# Allegro board 1156197-TDI_VU3P_QSFP28_CXP_V001_1023A-166-20241121_1644_PCB.brd (continued)
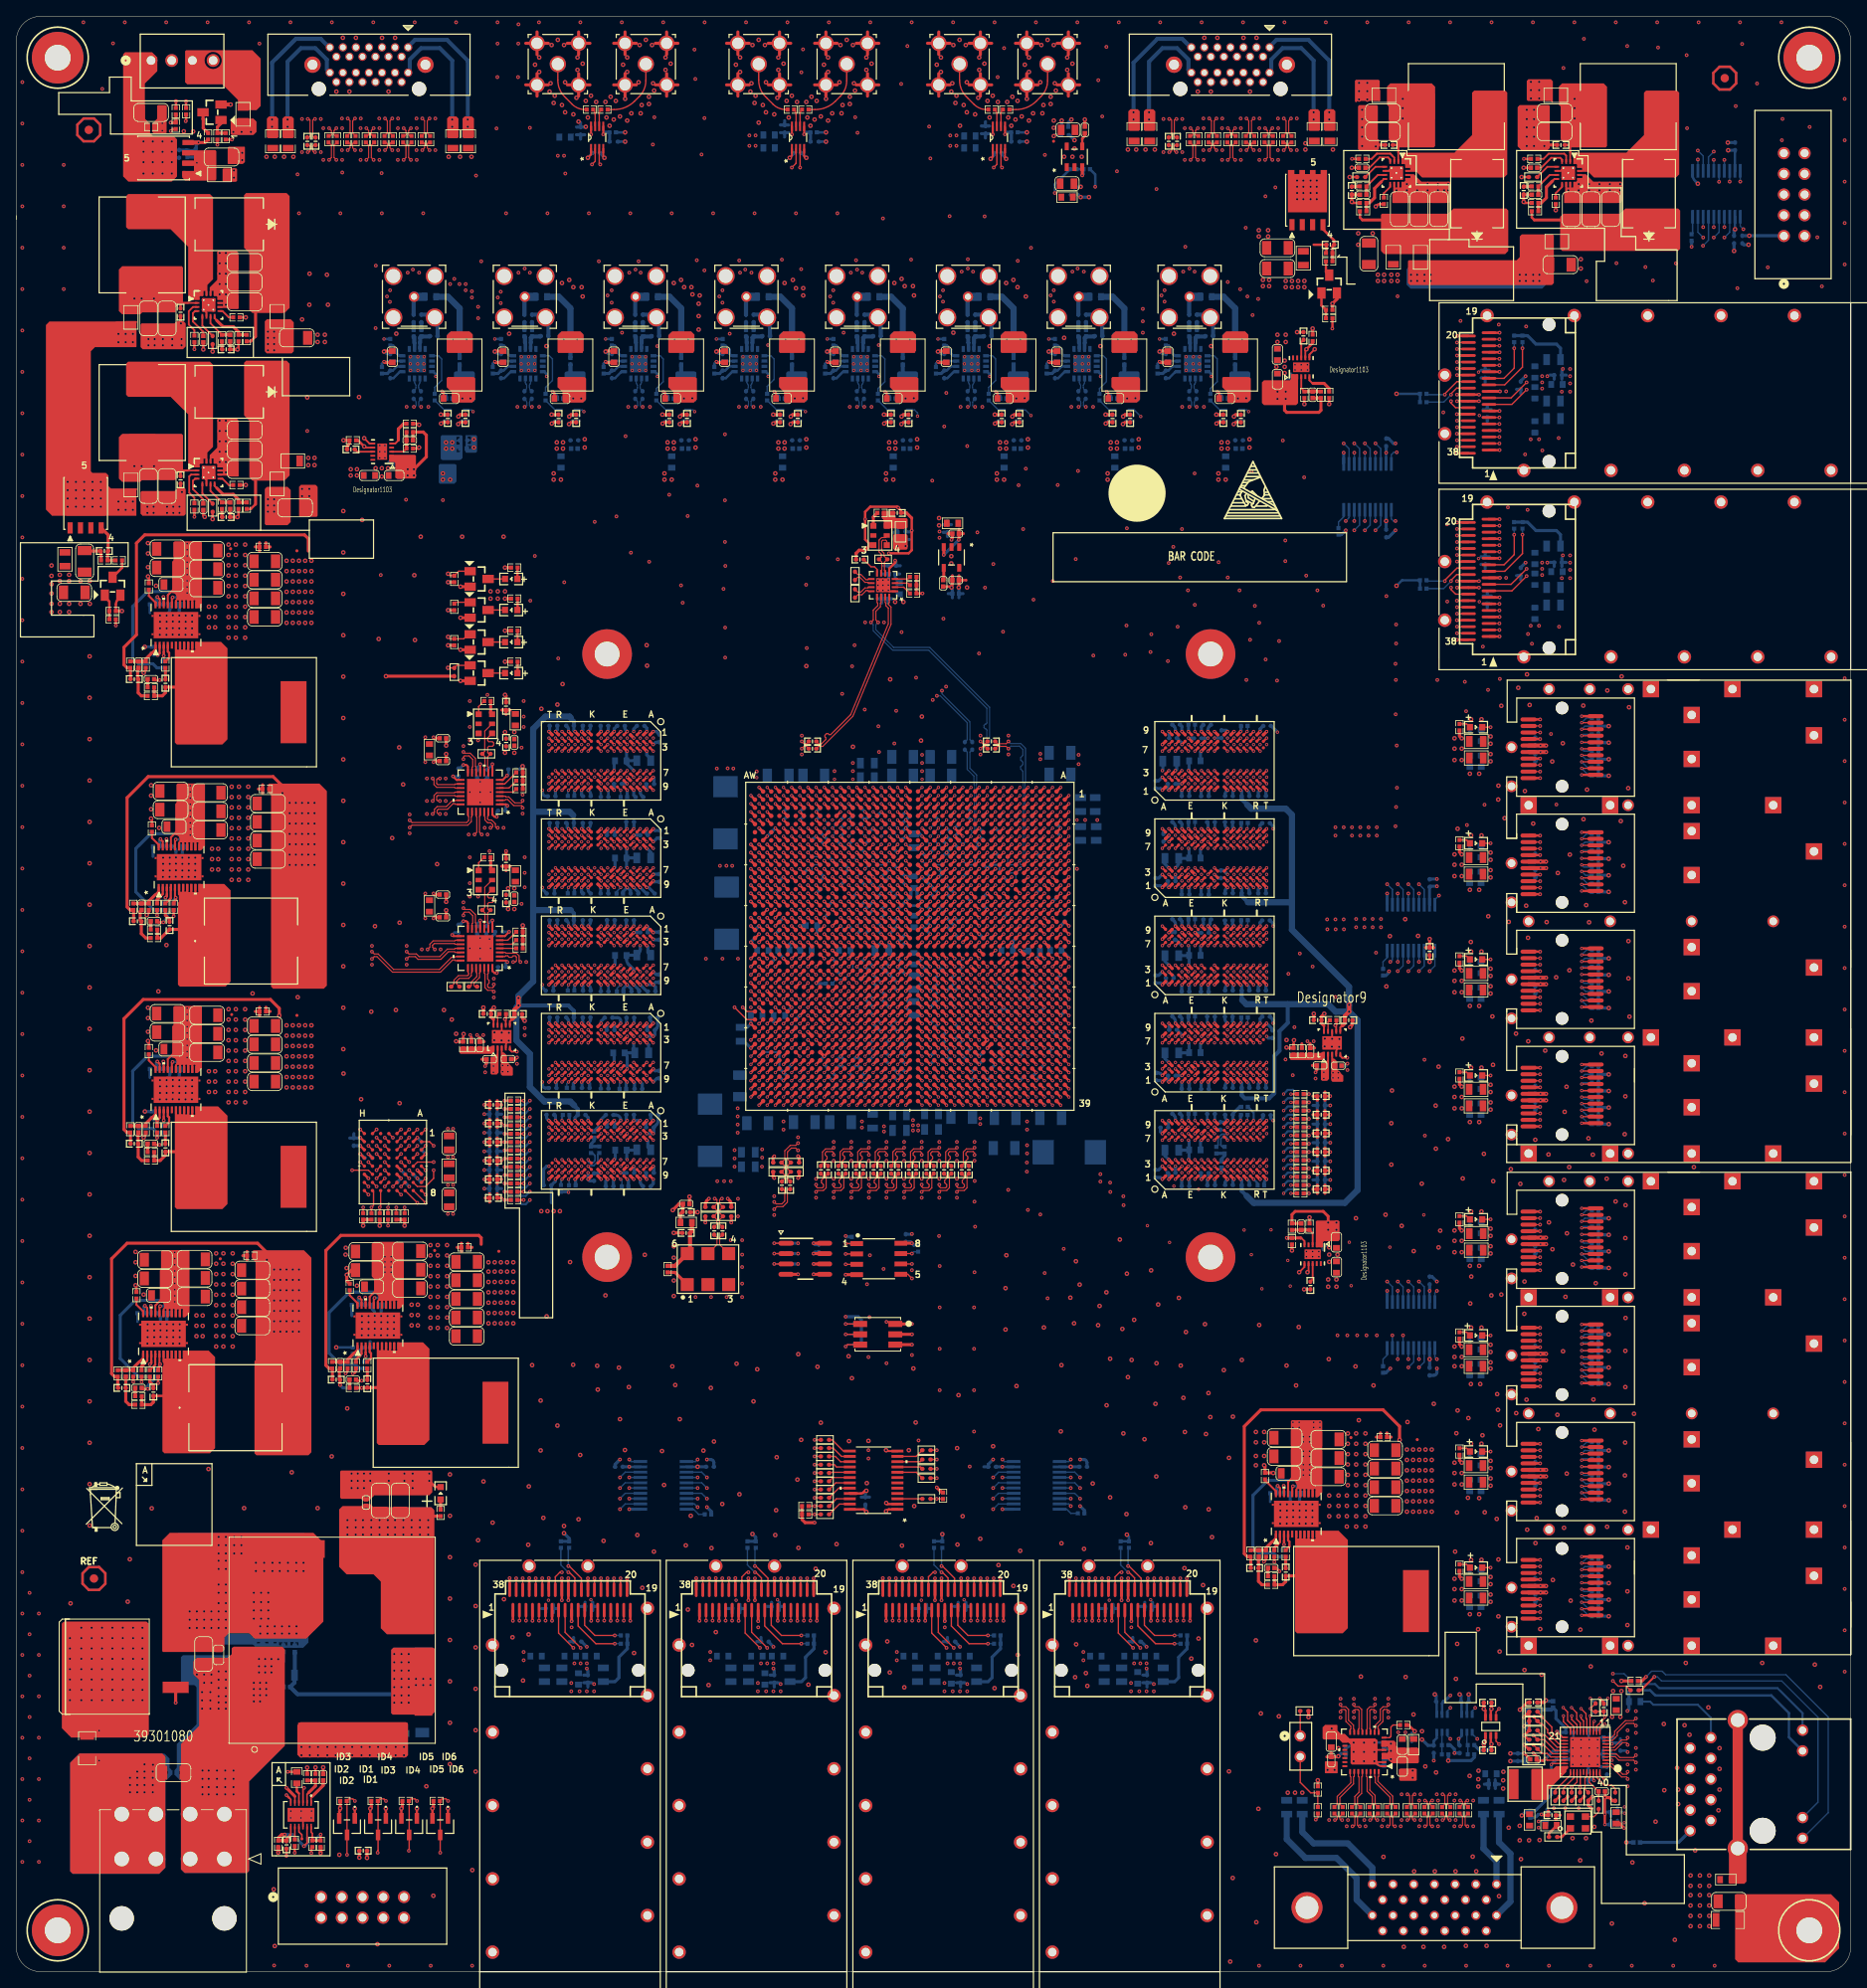
[diagram p0: board, top side]
## Routing (per net, layer and track width the routed paths; a pad name or vN(x,y) marks a point on that pad's centre or on a via; arc(x,y) is an arc through that point) (continued)
N25661667: length 2.3
  TOP w0.229: C753.1 41.8,186.56 U49.8
N25661669: length 3.7
  TOP w0.229: 46.86,188.02 46.86,187.94 46.48,187.56 U49.5
  TOP w0.381: 46.86,188.02 46.86,189.36 47.5,189.99 R409.2
N25767092: length 4.5
  TOP w0.203: U55.12 36.16,17.12 36.31,16.97 36.31,16.59
  TOP w0.305: 36.31,16.59 R437.1 36.31,16.1 37.33,16.1 R435.2 v1(37.33,16.84)
  BOTTOM w0.381: R438.2 36.82,16.33 v1(37.33,16.84)
N25767134: length 11
  TOP w0.203: v1(35.28,15.42) 35.66,15.8 U55.11 ; 33.58,16.76 33.67,16.85 U55.7
  TOP w0.305: 33.58,16.76 33.58,16.71 33.13,16.27 C805.1
  TOP w0.381: v1(32.91,16.84) 32.55,16.84 32.17,16.46 32.17,16.1 ; 32.17,16.1 33.08,16.1 C805.1 ; 32.17,16.1 R433.1
  BOTTOM w0.381: R438.1 35.78,15.8 35.4,15.42 v1(35.28,15.42) 33.86,16.84 v1(32.91,16.84)
N25767219: length 28.5
  TOP w0.203: 34.17,21.53 U55.5
  TOP w0.381: v1(33.14,22.56) 34.17,21.53
  ART03 w0.305: v1(33.14,22.56) 33.06,22.48 31.11,22.48 25.4,28.19 11.05,28.19 10.16,29.08 v1(10.16,29.59)
  vias: v2(6.58,40.94) v2(6.58,39.67) v2(6.58,38.4) v2(6.58,37.13) v2(6.58,35.86) v2(6.58,34.59) v2(6.58,33.32) v2(7.98,42.21) v2(7.98,40.94) v2(7.98,39.67) v2(7.98,38.4) v2(7.98,37.13) v2(7.98,35.86) v2(7.98,34.59) v2(7.98,33.32) v2(9.25,42.21) v2(9.25,40.94) v2(9.25,39.67) v2(9.25,38.4) v2(9.25,37.13) v2(9.25,35.86) v2(9.25,34.59) v2(9.25,33.32) v2(10.52,42.21) v2(10.52,40.94) v2(10.52,39.67) v2(10.52,38.4) v2(10.52,37.13) v2(10.52,35.86) v2(10.52,34.59) v2(10.52,33.32) v2(11.79,42.21) v2(11.79,40.94) v2(11.79,39.67) v2(11.79,38.4) v2(11.79,37.13) v2(11.79,35.86) v2(11.79,34.59) v2(11.79,33.32) v2(13.06,42.21) v2(13.06,40.94) v2(13.06,39.67) v2(13.06,38.4) v2(13.06,37.13) v2(13.06,35.86) v2(13.06,34.59) v2(13.06,33.32) v2(14.33,42.21) v2(14.33,40.94) v2(14.33,39.67) v2(14.33,38.4) v2(14.33,37.13) v2(14.33,35.86) v2(14.33,34.59) v2(14.33,33.32) v2(15.47,42.21) v2(15.47,40.94) v2(15.47,39.67) v2(15.47,38.4) v2(15.47,37.13) v2(15.47,35.86) v2(15.47,34.59) v2(15.47,33.32)
N25767247: length 1.6
  TOP w0.203: U55.8 34.17,16.24 R432.1
N25767271: length 21.1
  TOP w0.305: R431.1 v1(33.29,24.53)
  TOP w0.381: Q5.G v1(19.55,33.02)
  ART03 w0.508: v1(33.29,24.53) 27.67,30.15 20.9,30.15 19.55,31.51 v1(19.55,33.02)
N25767291: length 3.4
  TOP w0.203: U55.1 36.16,21.38 36.31,21.53
  TOP w0.381: C806.1 37.64,22.86 36.31,21.53
N25767309: length 4.2
  TOP w0.203: U55.2 35.66,21.77 35.86,21.97
  TOP w0.381: R434.1 R436.2 36.69,22.8 35.86,21.97
N25767313: length 1.6
  TOP w0.203: TP66.1 35.03,16.81 34.67,17.17 U55.9
N25767741: length 1.3
  TOP w0.381: DS13.1 R429.2
N26285540: length 2.5
  TOP w0.203: U55.4 34.67,21.87
  TOP w0.305: R431.2 34.41,22.13 34.67,21.87
N26625449: length 1.6
  BOTTOM w0.432: U26.2 48.85,199.9 48.81,199.94
  BOTTOM w0.508: R277.1 48.81,200.62 48.81,199.94
N26625819: length 1.6
  BOTTOM w0.432: 75.99,199.94 76.03,199.9 U30.2
  BOTTOM w0.508: R287.1 75.99,200.62 75.99,199.94
N26626341: length 1.6
  BOTTOM w0.432: 89.58,199.94 89.62,199.9 U31.2
  BOTTOM w0.508: R285.1 89.58,200.62 89.58,199.94
N26626662: length 1.6
  BOTTOM w0.432: U27.2 62.44,199.9 62.4,199.94
  BOTTOM w0.508: R275.1 62.4,200.62 62.4,199.94
N27384140: length 3.4
  TOP w0.381: v1(39.71,72.01) C653.1 39.62,72.76 39.62,73.92 39.73,74.02 C651.2
  BOTTOM w0.381: v1(39.71,72.01) 40.07,71.65 R341.2
N27389672: length 4.5
  TOP w0.381: 19.67,100.65 C669.2 18.29,100.2 17.65,99.57 R353.1 R354.2
N27389694: length 4.4
  TOP w0.279: 16.64,104.85 17.08,105.3 U44.1
  TOP w0.381: R348.2 C668.1 R347.2 15.88,104.09 16.64,104.85
N27389709: length 4.4
  TOP w0.381: R353.2 15.37,99.57 14.95,99.99 C670.1 14.94,101.63 14.94,102.95 C668.2
N27389809: length 1.4
  TOP w0.381: C669.1 R352.2
N28522099: length 3.2
  TOP w0.381: 59.56,135.67 C858.1 ; C858.1 60.58,135.67 ; C858.1 60.07,135.14 ; X2.6 58.19,135.33 R474.1
N28522173: length 1.9
  TOP w0.17: X2.1 56.71,136.1 R474.2
N28609575: length 9.3
  BOTTOM w0.762: R560.2 179.96,15.11 181.56,13.51 J35.1
N28609600: length 13.7
  BOTTOM w0.762: R561.2 181.86,15.88 183.26,14.48 183.26,8.61 J35.14
N28609622: length 18.7
  TOP w0.14: R562.2 177.71,19.07 177.71,17.99 177.85,17.85 v1(177.99,17.85)
  ART14 w0.114: v1(177.99,17.85) 177.69,17.55 177.69,17.37 179.12,15.94 179.12,15.93 183.18,11.87 183.18,10.89 183.19,10.89 183.19,9.27 182.12,8.2 181.5,8.2 180.37,7.07 180.29,7 J35.15
N28609642: length 18.6
  TOP w0.14: v1(177.1,17.85) 177.24,17.85 177.38,17.99 177.38,19.07 R563.2
  ART14 w0.114: v1(177.1,17.85) 177.38,17.57 177.38,17.24 178.8,15.82 178.8,15.82 182.87,11.74 182.87,10.77 182.88,10.76 182.88,9.4 181.99,8.51 181.37,8.51 180.24,7.38 180.08,7.38 179.58,7.87 179.58,8.5 179.91,8.83 J35.2
N28609662: length 16.4
  TOP w0.14: v1(175.83,18.62) 175.69,18.62 175.55,18.76 175.55,19.07 R564.2
  ART16 w0.114: v1(175.83,18.62) 175.54,18.33 175.54,17.4 175.92,17.02 177.47,17.02 180.34,14.15 180.34,10.26 179.02,8.94 J35.16
N28609682: length 15.5
  TOP w0.14: R565.2 175.22,19.07 175.22,18.76 175.08,18.62 v1(174.94,18.62)
  ART16 w0.114: J35.3 178.56,10.27 178.56,9.72 178.78,9.5 179.15,9.5 180.03,10.39 180.03,14.02 177.35,16.71 175.8,16.71 175.23,17.27 175.23,18.33 v1(174.94,18.62)
N28609702: length 17.8
  TOP w0.14: v1(172.78,17.85) 172.92,17.85 173.06,17.99 173.06,19.07 R568.2
  ART14 w0.114: J35.17 177.75,7 176.35,8.41 176.35,9.22 177.57,10.44 177.57,12.55 173.07,17.04 173.07,17.56 v1(172.78,17.85)
N28609722: length 17.5
  TOP w0.14: v1(173.67,17.85) 173.53,17.85 173.39,17.99 173.39,19.07 R570.2
  ART14 w0.114: v1(173.67,17.85) 173.38,17.56 173.38,17.17 177.87,12.68 177.87,10.31 176.66,9.09 176.66,8.53 177.72,7.47 178.03,7.47 178.56,8 178.56,8.2 177.93,8.83 J35.4
N28609760: length 19.5
  TOP w0.14: R574.2 171.23,19.07 171.23,18.76 171.37,18.62 v1(171.51,18.62)
  ART16 w0.114: J35.19 175.21,7.04 176.66,8.48 176.66,9.09 177.77,10.21 177.77,12.73 173.76,16.74 172.24,16.74 171.25,17.73 171.25,18.35 v1(171.51,18.62)
N28609780: length 18.8
  TOP w0.14: R576.2 170.91,19.07 170.91,18.76 170.77,18.62 v1(170.62,18.62)
  ART16 w0.114: v1(170.62,18.62) 170.94,18.3 170.94,17.6 172.11,16.43 173.63,16.43 177.47,12.6 177.47,10.34 176.35,9.22 176.35,8.61 175.26,7.52 175.1,7.52 174.62,7.99 174.62,8.24 J35.6
N28609813: length 3.3
  TOP w0.17: R578.2 168.86,30.28 168.61,30.02 168.61,28.88 168.45,28.72 U67.8
N28609886: length 5.3
  TOP w0.14: R566.2 168.82,20.56 168.82,21.55 167.02,23.36 167.02,23.9 167.1,23.98 U67.32
N28609924: length 5.3
  TOP w0.14: R567.2 168.49,20.56 168.49,21.42 166.69,23.22 166.69,23.9 166.6,23.98 U67.31
N28609975: length 4.8
  TOP w0.14: U67.30 166.1,23.98 166.02,23.9 166.02,22.28 166.66,21.64 166.66,20.56 R569.2
N28609992: length 29.5
  ART05 w0.122: J35.11 168.86,13.29 170.69,15.11 177.67,15.11 179.96,17.4 179.96,25.15 177.29,27.81 176.66,27.81 v1(175.9,28.57)
  BOTTOM w0.17: U70.4 175.53,28.94 v1(175.9,28.57)
N28609998: length 4.8
  TOP w0.14: R571.2 166.33,20.56 166.33,21.5 165.69,22.14 165.69,23.9 165.6,23.98 U67.29
N28610050: length 4.8
  TOP w0.14: R572.2 164.5,20.56 164.5,21.37 165.02,21.89 165.02,23.9 165.11,23.98 U67.28
N28610067: length 17.9
  TOP w0.17: v1(159.38,18.67) 159.64,18.92 R579.2
  ART16 w0.122: v1(159.38,18.67) 159.38,17.27 164.53,12.13 164.53,10.22 167.59,7.16 J35.25
N28610073: length 4.8
  TOP w0.14: U67.27 164.6,23.98 164.69,23.9 164.69,22.03 164.17,21.51 164.17,20.56 R573.2
N28610094: length 14.6
  BOTTOM w0.762: R580.2 157.73,17.14 159.13,15.75 163.32,15.75 166.32,12.75 J35.13
N28610104: length 5.2
  TOP w0.14: U67.26 164.1,23.98 164.02,23.9 164.02,23.05 162.34,21.37 162.34,20.56 R575.2
N28610121: length 19
  BOTTOM w0.762: J35.26 164.4,8.83 164.4,11.49 161.93,13.97 158.12,13.97 155.83,16.26 R581.2
N28610127: length 5.2
  TOP w0.14: U67.25 163.6,23.98 163.69,23.9 163.69,23.18 162.02,21.51 162.02,20.56 R577.2
N28610168: length 5
  TOP w0.381: C893.2 161.29,26.89 ; C893.2 160.76,26.36 ; C893.2 161.82,26.36
  BOTTOM w0.381: C895.2 168.58,26.11 v2(168.61,26.09) ; v2(168.61,27.1) 168.37,27.34 C896.2 ; v2(162.15,26.44) 162.49,26.78 C894.2 163.07,26.24
  vias: v2(162.15,27.43) v2(168.61,27.99)
N28714819: length 4.4
  TOP w0.279: U45.1 15.56,75.33 15.11,74.88
  TOP w0.381: R358.1 C683.1 R357.2 14.35,74.12 15.11,74.88
N28714907: length 4.4
  TOP w0.381: C683.2 13.44,73 13.42,72.99 C685.1 13.42,70.02 13.84,69.6 R363.2
N28714926: length 2.2
  TOP w0.254: R359.2 14.73,81.87 15.56,81.05 U45.22
N28714944: length 2.1
  TOP w0.254: U45.21 16.06,81.45 v1(15.77,81.74)
  BOTTOM w0.381: R360.2 15.67,81.63 v1(15.77,81.74)
N28714993: length 1.9
  TOP w0.254: U45.20 16.56,81.7 v1(16.52,81.74)
  BOTTOM w0.381: v1(16.52,81.74) 16.51,81.74 R361.1
N28714995: length 1.6
  TOP w0.381: R362.1 16.38,72.39 16.81,71.96 C684.1
N28714997: length 4.8
  TOP w0.305: C684.2 18.22,70.68
  TOP w0.381: C684.2 16.81,69.9 16.51,69.6 R363.1 R364.2
N28715439: length 4.4
  TOP w0.279: U46.1 154.5,53.23 154.05,52.78
  TOP w0.381: R370.1 C698.1 R369.2 153.29,52.02 154.05,52.78
N28715527: length 4.4
  TOP w0.381: R377.2 152.78,47.5 152.36,47.92 C700.1 152.4,49.59 152.4,50 152.36,50.04 152.36,50.6 152.4,50.63 C698.2
N28715546: length 2.3
  TOP w0.254: R374.2 153.16,60.32 154.5,58.99 U46.22
N28715564: length 2.1
  TOP w0.254: U46.21 155,59.35 v1(154.71,59.64)
  BOTTOM w0.381: R373.2 154.6,59.54 v1(154.71,59.64)
N28715613: length 1.9
  TOP w0.254: v1(155.45,59.64) 155.5,59.6 U46.20
  BOTTOM w0.381: R375.1 155.45,59.64 v1(155.45,59.64)
N28715615: length 1.4
  TOP w0.381: C699.1 R376.2
N28715617: length 4.7
  TOP w0.381: 157.11,48.58 C699.2 155.7,47.88 155.32,47.5 R377.1 R379.2
N28716954: length 2.2
  TOP w0.254: R349.2 16.26,111.85 17.08,111.02 U44.22
N28716969: length 2.1
  TOP w0.254: U44.21 17.58,111.42 v1(17.3,111.71)
  BOTTOM w0.381: v1(17.3,111.71) 17.19,111.61 R350.2
N28716973: length 1.9
  TOP w0.254: U44.20 18.08,111.67 v1(18.04,111.71)
  BOTTOM w0.381: R351.1 18.04,111.71 v1(18.04,111.71)
N28719419: length 5.2
  TOP w0.381: U52.3 v1(113.76,173.9) ; C762.1 115.62,177.04 ; C762.1 115.62,175.97 ; C762.1 116.15,176.5
  BOTTOM w0.381: v1(113.76,173.9) 115.6,175.74 v1(115.6,175.74)
N28719470: length 1.5
  TOP w0.381: C765.2 113.76,170.88 U52.4
N28727051: length 4.4
  TOP w0.279: U47.1 17.46,132.61 17.02,132.16
  TOP w0.381: 17.02,132.16 16.26,131.4 R384.2 C713.1 R385.1
N28727139: length 4.4
  TOP w0.381: C713.2 15.19,130.13 15.19,129.07 C715.1 15.33,127.42 15.88,126.87 R390.2
N28727158: length 2.2
  TOP w0.254: R386.2 16.64,139.15 17.46,138.32 U47.22
N28727176: length 2.1
  TOP w0.254: v1(17.68,139.02) 17.97,138.73 U47.21
  BOTTOM w0.381: R387.2 17.57,138.91 v1(17.68,139.02)
N28727225: length 1.9
  TOP w0.254: v1(18.42,139.02) 18.46,138.98 U47.20
  BOTTOM w0.381: v1(18.42,139.02) 18.42,139.02 R388.1
N28727227: length 1.6
  TOP w0.381: R389.1 18.29,129.67 18.79,129.16 C714.1
N28727229: length 4.2
  TOP w0.381: R391.2 R390.1 17.74,126.87 C714.2 20.03,127.93
N28729667: length 1.4
  TOP w0.305: R406.2 61.49,167.15 DS12.1
N28729793: length 2.1
  TOP w0.17: Q4.3 DS12.2
N28729887: length 2
  TOP w0.17: R408.1 53.89,168.08 Q4.1
N28744224: length 4
  TOP w0.17: U40.39 193.83,23.85 194.79,22.89 195.68,22.89 196.11,22.45 R317.1
N28744267: length 2.8
  TOP w0.17: R316.1 192.41,22.41 192.41,23.75 192.63,23.98 U40.36
N28744413: length 2.8
  TOP w0.305: L65.2 187.99,16.98 R313.2
  TOP w0.381: 189.37,19.21 C633.1 188.84,18.7
N28744480: length 2.1
  TOP w0.305: R313.1 189.56,16.54 U42.1
N28765392: length 11.9
  BOTTOM w0.254: L67.2 200.41,33.15 200.79,32.77 206.25,32.77 207.85,31.16 J25.10
N28765481: length 42.3
  TOP w0.381: v1(199.9,36.2) 199.39,35.69 R330.2
  BOTTOM w0.17: v1(199.9,36.2) 200.58,36.88 201.88,36.88 202.31,36.45 217.04,36.45 222.25,31.24 222.25,19.53 J25.11
N28767196: length 23.9
  BOTTOM w0.254: R334.2 199.28,35.31 201.02,35.31 201.52,34.8 216.03,34.8 219.1,31.73 J25.14
N28772898: length 3.3
  TOP w0.17: R312.1 188.75,22.26 190.63,24.14 U40.31
N28774027: length 6.7
  BOTTOM w0.381: J25.1 203.89,15.88 C636.2
N28775955: length 37.8
  TOP w0.254: R332.1 199.26,34.54 v1(200.91,36.2)
  BOTTOM w0.17: v1(200.91,36.2) 201.29,36.2 201.8,35.69 216.53,35.69 220.98,31.24 220.98,20.8 J25.12
N28777171: length 24.9
  BOTTOM w0.305: J25.13 217.42,28.77 217.42,31.75 215.26,33.91 201.04,33.91 200.41,34.54 R333.1
N28788474: length 2.2
  TOP w0.17: R318.1 194.08,19.61 193.51,19.04 U42.3
N28846813: length 6.1
  TOP w0.305: R589.2 19.58,228.77 v1(19.58,229.59)
  ART16 w0.305: J36.2 19.06,230.11 v1(19.58,229.59)
N28878567: length 3.3
  TOP w0.17: P1.A2 v3(192,44.54)
  BOTTOM w0.17: v3(192,44.54) 192.92,43.63 R172.2
N28878640: length 3.1
  TOP w0.17: v3(192,46.14) 192.01,46.14 P1.A4
  BOTTOM w0.17: v3(192,46.14) 192.49,45.66 193.25,45.66 R170.2
N28878666: length 3.1
  TOP w0.17: P1.A5 192.01,46.94 v3(192,46.94)
  BOTTOM w0.17: R174.2 192.27,46.67 v3(192,46.94)
N28878705: length 3
  TOP w0.17: v3(192,47.74) 192.01,47.74 P1.A6
  BOTTOM w0.17: v3(192,47.74) 192.06,47.69 R175.2
N28878723: length 3
  TOP w0.17: P1.A7 192.01,48.54 v3(192,48.54)
  BOTTOM w0.17: R171.2 192.17,48.7 v3(192,48.54)
N28878743: length 3.2
  TOP w0.17: v3(192,50.14) 192.01,50.14 P1.A9
  BOTTOM w0.17: v3(192,50.14) 192.6,50.74 R176.2
N28878956: length 3.3
  TOP w0.17: P1.B2 v3(192,58.79)
  BOTTOM w0.17: v3(192,58.79) 192.92,57.87 R178.2
N28879017: length 3.1
  TOP w0.17: P1.B4 v3(192,60.39)
  BOTTOM w0.17: R180.2 192.49,59.91 v3(192,60.39)
N28879035: length 3.1
  TOP w0.17: P1.B5 v3(192,61.19)
  BOTTOM w0.17: v3(192,61.19) 192.27,60.92 R181.2
N28879077: length 3
  TOP w0.17: P1.B6 v3(192,61.99)
  BOTTOM w0.17: R182.2 192.06,61.94 v3(192,61.99)
N28879114: length 3
  TOP w0.17: P1.B7 v3(192,62.79)
  BOTTOM w0.17: R183.2 192.17,62.95 v3(192,62.79)
N28879128: length 3.2
  TOP w0.17: P1.B9 v3(192,64.39)
  BOTTOM w0.17: v3(192,64.39) 192.6,64.99 R184.2
N28879322: length 3.3
  TOP w0.17: P1.C2 v3(192,73.04)
  BOTTOM w0.17: v3(192,73.04) 192.92,72.13 R186.2
N28879392: length 3.1
  TOP w0.17: P1.C4 v3(192,74.64)
  BOTTOM w0.17: R189.2 192.49,74.16 v3(192,74.64)
N28879411: length 3
  TOP w0.17: P1.C5 v3(192,75.44)
  BOTTOM w0.17: R190.2 192.27,75.17 v3(192,75.44)
N28879443: length 3
  TOP w0.17: P1.C6 v3(192,76.24)
  BOTTOM w0.17: v3(192,76.24) 192.06,76.19 R191.2
N28879486: length 3
  TOP w0.17: P1.C7 v3(192,77.04)
  BOTTOM w0.17: R192.2 192.17,77.21 v3(192,77.04)
N28879500: length 3.2
  TOP w0.17: P1.C9 v3(192,78.64)
  BOTTOM w0.17: R193.2 192.6,79.24 v3(192,78.64)
N28879668: length 3.3
  TOP w0.17: P1.D2 v3(192,87.29)
  BOTTOM w0.17: R195.2 192.92,86.37 v3(192,87.29)
N28879770: length 3.1
  TOP w0.17: P1.D4 v3(192,88.89)
  BOTTOM w0.17: v3(192,88.89) 192.49,88.41 R197.2
N28879795: length 3.1
  TOP w0.17: P1.D5 v3(192,89.69)
  BOTTOM w0.17: v3(192,89.69) 192.27,89.42 R198.2
N28879825: length 3
  TOP w0.17: P1.D6 v3(192,90.49)
  BOTTOM w0.17: v3(192,90.49) 192.06,90.44 R199.2
N28879855: length 3
  TOP w0.17: P1.D7 v3(192,91.29)
  BOTTOM w0.17: R200.2 192.17,91.45 v3(192,91.29)
N28879883: length 3.2
  TOP w0.17: P1.D9 v3(192,92.89)
  BOTTOM w0.17: v3(192,92.89) 192.6,93.49 R201.2
N28880031: length 1.4
  TOP w0.17: DS4.1 177.89,49.99 R203.1
N28880083: length 1.4
  TOP w0.17: R204.1 177.89,64.24 DS5.1
N28880127: length 1.4
  TOP w0.17: DS6.1 177.89,78.5 R205.1
N28880155: length 1.4
  TOP w0.17: R206.1 177.89,92.75 DS7.1
N28914741: length 3.7
  BOTTOM w0.305: v1(127.38,218.31) 127.38,219.37 R424.1
N28914763: length 2.7
  TOP w0.381: U53.3 v1(130.74,220.47)
  BOTTOM w0.305: v1(130.74,220.47) 130.89,220.62 R425.1 R424.2
N28914792: length 1.8
  TOP w0.305: C784.2 131.06,225.3 130.74,224.98 U53.4
N28959625: length 4.6
  TOP w0.229: R439.1 21.84,180.9 21.21,181.53 21.21,183.51 21.44,183.75 U56.3
N28972786: length 1.9
  TOP w0.229: U56.9 25.29,183.25 26.06,182.47 R442.2
N28972820: length 3.9
  TOP w0.229: C815.2 22.94,180.7 21.67,181.97 21.67,182.99 21.92,183.25 U56.4
N28973278: length 2.9
  TOP w0.229: R443.1 22.82,181.44 U56.5
N28973878: length 3.9
  TOP w0.229: R445.2 23.82,181.74 U56.7
  TOP w0.381: C816.1 R445.2
N28973888: length 1
  TOP w0.381: C817.1 25.22,178.57 R445.1
N28974621: length 5.2
  TOP w0.229: U56.8 24.32,182.36 24.59,182.09
  TOP w0.381: 24.59,182.09 25.35,181.33 26.62,181.33 27.25,180.7 R444.2 R440.1
N28979919: length 5.2
  TOP w0.229: U57.8 24.32,202.93 24.59,202.67
  TOP w0.381: 24.59,202.67 25.35,201.9 26.62,201.9 27.25,201.27 R451.2 R446.1
N28980009: length 1.9
  TOP w0.229: R449.2 26.06,203.05 25.29,203.82 U57.9
N28980031: length 3.9
  TOP w0.229: C826.2 22.94,201.27 21.67,202.54 21.67,203.57 21.92,203.82 U57.4
N28980061: length 2.9
  TOP w0.229: U57.5 22.82,202.02 R450.1
N28980081: length 3.9
  TOP w0.229: U57.7 23.82,202.31 R452.2
  TOP w0.381: C827.1 R452.2
N28980104: length 1
  TOP w0.381: C828.1 25.22,199.15 R452.1
N28981010: length 4.5
  TOP w0.229: U57.3 21.67,204.32 21.16,203.81 21.16,202.16 21.84,201.47 R447.1
N28986231: length 1.9
  BOTTOM w0.381: R584.1 21.94,222.71 C899.1 22,222.17 v3(22.15,222.02)
N28986325: length 5.7
  TOP w0.381: R585.1 23.16,224.51 v1(22.35,224.51)
  TOP w0.508: v1(22.35,224.51) Q6.4
  BOTTOM w0.381: v1(22.35,224.51) 22.07,224.23 22.07,223.79 C899.2 21.8,223.51 R584.2 20.91,223.58 C900.2
N28986386: length 2.8
  TOP w0.381: Q7.3 22.9,227.39 22.93,227.37 22.93,226.27 R585.2
N28986415: length 2.8
  TOP w0.381: R587.1 R588.2 24.66,226.42 25.13,226.88 25.13,227.24 Q7.1
N29053114: length 7.2
  TOP w0.305: R590.2 20.82,228.76 v1(20.82,229.58)
  ART16 w0.305: J36.4 24.14,232.9 v1(20.82,229.58)
N29254348: length 1.4
  TOP w0.152: U1.AF27 v1(103.1,118.36)
  BOTTOM w0.17: v1(103.1,118.36) 103.59,117.87 R21.1
N29254644: length 5.6
  TOP w0.17: R27.2 v1(46.61,93.8) ; U3.C6 v1(48.19,97.37)
  ART03 w0.122: v1(48.19,97.37) 47.7,96.88 47.7,94.89 v1(46.61,93.8)
N29254735: length 5.2
  TOP w0.17: U3.F7 v1(45.19,97.37) ; R29.1 v1(45.59,93.8)
  ART07 w0.122: v1(45.59,93.8) 45.69,93.9 45.69,96.87 v1(45.19,97.37)
N29254775: length 8.6
  TOP w0.305: U3.H3 v1(42.19,101.37) ; U3.A4 v1(50.19,100.37) ; U3.D6 v1(47.19,97.37) ; U3.G4 v1(43.19,100.37) ; U3.D5 v1(47.19,98.37)
  TOP w0.381: v1(49.19,98.37) U3.A6
  BOTTOM w0.381: C16.1 42.18,101.38 v1(42.19,101.37) ; C14.1 46.72,96.9 v1(47.19,97.37) ; v1(50.19,100.37) 49.69,100.87 C13.1 ; v1(49.19,98.37) 49.66,97.91 C18.1 ; C15.1 47.69,97.87 v1(47.19,98.37) ; C17.1 43.66,99.91 v1(43.19,100.37)
  vias: v1(52.94,99.99) v1(53.57,99.99)
N29256286: length 2.4
  TOP w0.152: U1.AB10 v1(107.1,136.36)
  BOTTOM w0.17: R1.2 106.6,135.86 v1(107.1,136.36)
N29291080: length 1.4
  TOP w0.381: U1.AV6 v3(91.1,140.36)
  BOTTOM w0.381: R83.2 91.59,139.87 v3(91.1,140.36)
N29291799: length 17.6
  TOP w0.14: U1.U33 v3(113.1,112.36) ; v1(113.21,100.25) 113.21,100.5 113.05,100.66 112.35,100.66 112.17,100.48 112.17,100.26 112.39,100.03 112.39,99.77 112.17,99.54 112.17,99.25 C90.1
  ART07 w0.102: 113.75,105.92 113.71,105.96 113.71,111.84 113.49,112.06 113.25,112.06 113.1,112.22 v3(113.1,112.36)
  ART07 w0.114: 113.75,105.92 113.75,103.63 114.3,103.08 114.3,100.81 113.94,100.46 113.42,100.46 v1(113.21,100.25)
N29291820: length 17.6
  TOP w0.14: U1.U34 v3(113.1,111.36) ; C91.1 111.84,99.1 111.84,100.62 112.21,100.99 113.06,100.99 v1(113.21,101.14)
  ART07 w0.102: 113.44,105.92 113.5,105.98 113.5,111.76 113.4,111.86 113.2,111.86 113.1,111.76 v3(113.1,111.36)
  ART07 w0.114: 113.44,105.92 113.44,103.5 113.99,102.95 113.99,102.5 113.88,102.39 113.78,102.39 113.67,102.27 113.67,102.04 113.78,101.93 113.88,101.93 113.99,101.81 113.99,100.94 113.82,100.76 113.35,100.76 113.21,100.9 v1(113.21,101.14)
N29293312: length 1.4
  TOP w0.381: U1.AV34 v3(91.1,111.36)
  BOTTOM w0.381: R82.2 91.59,111.84 v3(91.1,111.36)
N29295729: length 4
  TOP w0.254: 107.07,172.22 U60.5
  TOP w0.305: v1(107.8,173.2) 107.8,172.95 107.07,172.22
  BOTTOM w0.381: 108.42,172.57 C856.1 107.89,173.07 ; 108.35,171.55 C855.1 107.82,171.02
N29295867: length 1.8
  TOP w0.381: R467.2 105.12,178.54 X1.1
N29295972: length 2.2
  TOP w0.17: R468.2 108.84,169.93 U60.2
N29296008: length 1.9
  TOP w0.17: R469.2 109.36,170.43 U60.3
N29296045: length 1.9
  TOP w0.17: R470.2 109.34,170.93 U60.4
N29296089: length 2.4
  TOP w0.14: R472.1 103.21,169 103.72,169 104.24,169.52 104.44,169.52 104.53,169.43 U60.12
N29296106: length 2.4
  TOP w0.14: U60.11 104.51,169.93 104.42,169.84 104.1,169.84 103.59,169.33 103.21,169.33 R472.2
N29296110: length 2.6
  TOP w0.17: U60.8 105.58,172.12 105.26,172.44 104.83,172.44 C857.2
N29296114: length 2.5
  TOP w0.14: R473.1 103.21,171.16 103.46,171.16 104.1,170.52 104.43,170.52 104.53,170.43 U60.10
N29296138: length 2.4
  TOP w0.14: R473.2 103.21,171.49 103.6,171.49 104.23,170.85 104.43,170.85 104.51,170.93 U60.9
N29307504: length 1.4
  TOP w0.152: U1.P23 v1(116.1,122.36)
  BOTTOM w0.17: R30.1 v1(116.1,122.36)
N29307521: length 1.4
  TOP w0.17: U1.A27 v1(129.1,118.36)
  BOTTOM w0.17: U1.A27 v1(129.1,118.36)
N29312513: length 1.4
  TOP w0.152: U1.P28 v1(116.1,117.36)
  BOTTOM w0.17: R33.1 v1(116.1,117.36)
N29312530: length 1.4
  TOP w0.152: U1.L28 v1(119.1,117.36)
  BOTTOM w0.17: R36.2 v1(119.1,117.36)
N29344016: length 2.2
  BOTTOM w0.17: R32.2 205.6,213.37 U4.10
N29461746: length 1.4
  TOP w0.152: U1.AF18 v1(103.1,128.36)
  BOTTOM w0.17: R69.1 v1(103.1,128.36)
N29483211: length 1.4
  TOP w0.152: U1.AG13 v1(102.1,133.36)
  BOTTOM w0.17: R62.2 102.59,132.87 v1(102.1,133.36)
N29486000: length 1.4
  TOP w0.152: U1.N13 v1(117.1,133.36)
  BOTTOM w0.17: R74.2 116.62,132.87 v1(117.1,133.36)
N29487858: length 1.4
  TOP w0.152: U1.P16 v1(116.1,130.36)
  BOTTOM w0.17: R73.2 115.62,129.87 v1(116.1,130.36)
N29495921: length 26.8
  TOP w0.14: U1.AP26 v1(96.1,119.36) ; C38.2 94.28,97.37 94.28,97.74 R47.1 94.26,98.58 94.26,98.91 R48.2 94.26,99.72 94.26,100.75 94.93,101.42 95.6,101.42 v1(95.89,101.7)
  ART05 w0.102: v1(96.1,119.36) 95.96,119.36 95.7,119.1 95.7,105.64 95.75,105.59
  ART05 w0.114: 95.75,105.59 95.75,103.88 95,103.12 95,101.52 95.11,101.41 95.59,101.41 v1(95.89,101.7)
N29495929: length 26.8
  TOP w0.14: C39.2 94.61,97.3 94.61,97.79 R43.1 94.59,98.58 94.59,98.91 R44.2 94.59,99.72 94.59,100.62 95.06,101.09 95.6,101.09 v1(95.89,100.81) ; U1.AP27 v1(95.1,119.36)
  ART05 w0.102: v1(95.1,119.36) 95.4,119.36 95.5,119.26 95.5,105.64 95.45,105.59
  ART05 w0.114: v1(95.89,100.81) 95.59,101.1 94.98,101.1 94.69,101.4 94.69,103.25 95.45,104.01 95.45,105.59
N29496862: length 37.4
  TOP w0.14: C36.1 86.26,91.76 86.26,92.29 R38.2 86.28,93.1 86.28,93.46 R40.1 86.27,94.26 86.27,94.74 86.41,94.88 v1(86.55,94.88) ; U1.AM27 v1(97.1,118.36)
  ART05 w0.102: v1(97.1,118.36) 96.89,118.36 96.7,118.17 96.7,105.64 96.75,105.59
  ART05 w0.114: v1(86.55,94.88) 86.26,95.17 86.26,95.35 86.54,95.63 89.84,95.63 92.64,98.42 96.01,98.42 96.75,99.17 96.75,105.59
N29496864: length 37.4
  TOP w0.14: U1.AN27 v1(96.1,118.36) ; C37.1 85.93,91.73 85.93,92.31 R39.2 85.96,93.13 85.96,93.43 R41.1 85.94,94.26 85.94,94.74 85.8,94.88 v1(85.66,94.88)
  ART05 w0.102: 96.45,105.59 96.45,105.6 96.5,105.65 96.5,118.21 96.35,118.36 v1(96.1,118.36)
  ART05 w0.114: 96.45,105.59 96.45,99.3 95.88,98.73 92.51,98.73 89.72,95.94 86.41,95.94 85.95,95.48 85.95,95.17 v1(85.66,94.88)
N29506324: length 1.4
  TOP w0.152: U1.AF10 v1(103.1,136.36)
  BOTTOM w0.17: R63.2 v1(103.1,136.36)
N29529134: length 1.4
  TOP w0.152: U1.P11 v1(116.1,135.36)
  BOTTOM w0.17: U1.P11 v1(116.1,135.36)
N29531363: length 1.4
  TOP w0.152: U1.P21 v1(116.1,124.36)
  BOTTOM w0.17: R80.1 v1(116.1,124.36)
N29551980: length 17.6
  TOP w0.14: C80.1 99.21,99.25 99.21,99.54 99.44,99.77 99.44,100.03 99.21,100.26 99.21,100.48 99.39,100.66 100.09,100.66 100.26,100.5 v1(100.26,100.25) ; U1.AJ33 v3(100.1,112.36)
  ART07 w0.102: 100.75,105.92 100.71,105.96 100.71,111.84 100.49,112.06 100.25,112.06 100.1,112.22 v3(100.1,112.36)
  ART07 w0.114: v1(100.26,100.25) 100.46,100.46 100.99,100.46 101.35,100.81 101.35,102.26 100.75,102.86 100.75,105.92
N29552001: length 17.6
  TOP w0.14: U1.AJ34 v3(100.1,111.36) ; C83.1 98.88,99.1 98.88,100.62 99.26,100.99 100.11,100.99 v1(100.26,101.14)
  ART07 w0.102: v3(100.1,111.36) 100.1,111.76 100.2,111.86 100.4,111.86 100.5,111.76 100.5,105.98 100.44,105.92
  ART07 w0.114: v1(100.26,101.14) 100.26,100.9 100.4,100.76 100.86,100.76 101.04,100.94 101.04,101.21 100.92,101.32 100.85,101.32 100.74,101.43 100.74,101.66 100.85,101.78 100.92,101.78 101.04,101.89 101.04,102.14 100.44,102.73 100.44,105.92
N29553003: length 18
  TOP w0.14: C78.1 103.2,99.1 103.2,100.62 103.57,100.99 104.43,100.99 v1(104.58,101.14) ; U1.AE33 v3(104.1,112.36)
  ART07 w0.102: v3(104.1,112.36) 104.1,112.22 103.95,112.06 103.72,112.06 103.5,111.84 103.5,105.96 103.45,105.92
  ART07 w0.114: 103.45,105.92 103.45,105.41 105.36,103.5 105.36,102.4 105.18,102.23 105.18,101.89 105.36,101.72 105.36,100.94 105.18,100.76 104.71,100.76 104.58,100.9 v1(104.58,101.14)
N29553024: length 18
  TOP w0.14: U1.AE34 v3(104.1,111.36) ; C81.1 103.53,99.25 103.53,99.54 103.76,99.77 103.76,100.03 103.53,100.26 103.53,100.48 103.71,100.66 104.41,100.66 104.58,100.5 v1(104.58,100.25)
  ART07 w0.102: 103.76,105.91 103.76,105.92 103.7,105.98 103.7,111.76 103.8,111.86 104,111.86 104.1,111.76 v3(104.1,111.36)
  ART07 w0.114: v1(104.58,100.25) 104.78,100.46 105.31,100.46 105.66,100.81 105.66,103.63 103.76,105.53 103.76,105.91
